# Altium PCB hv_controller.PcbDoc (part 2 of 3) (continued)
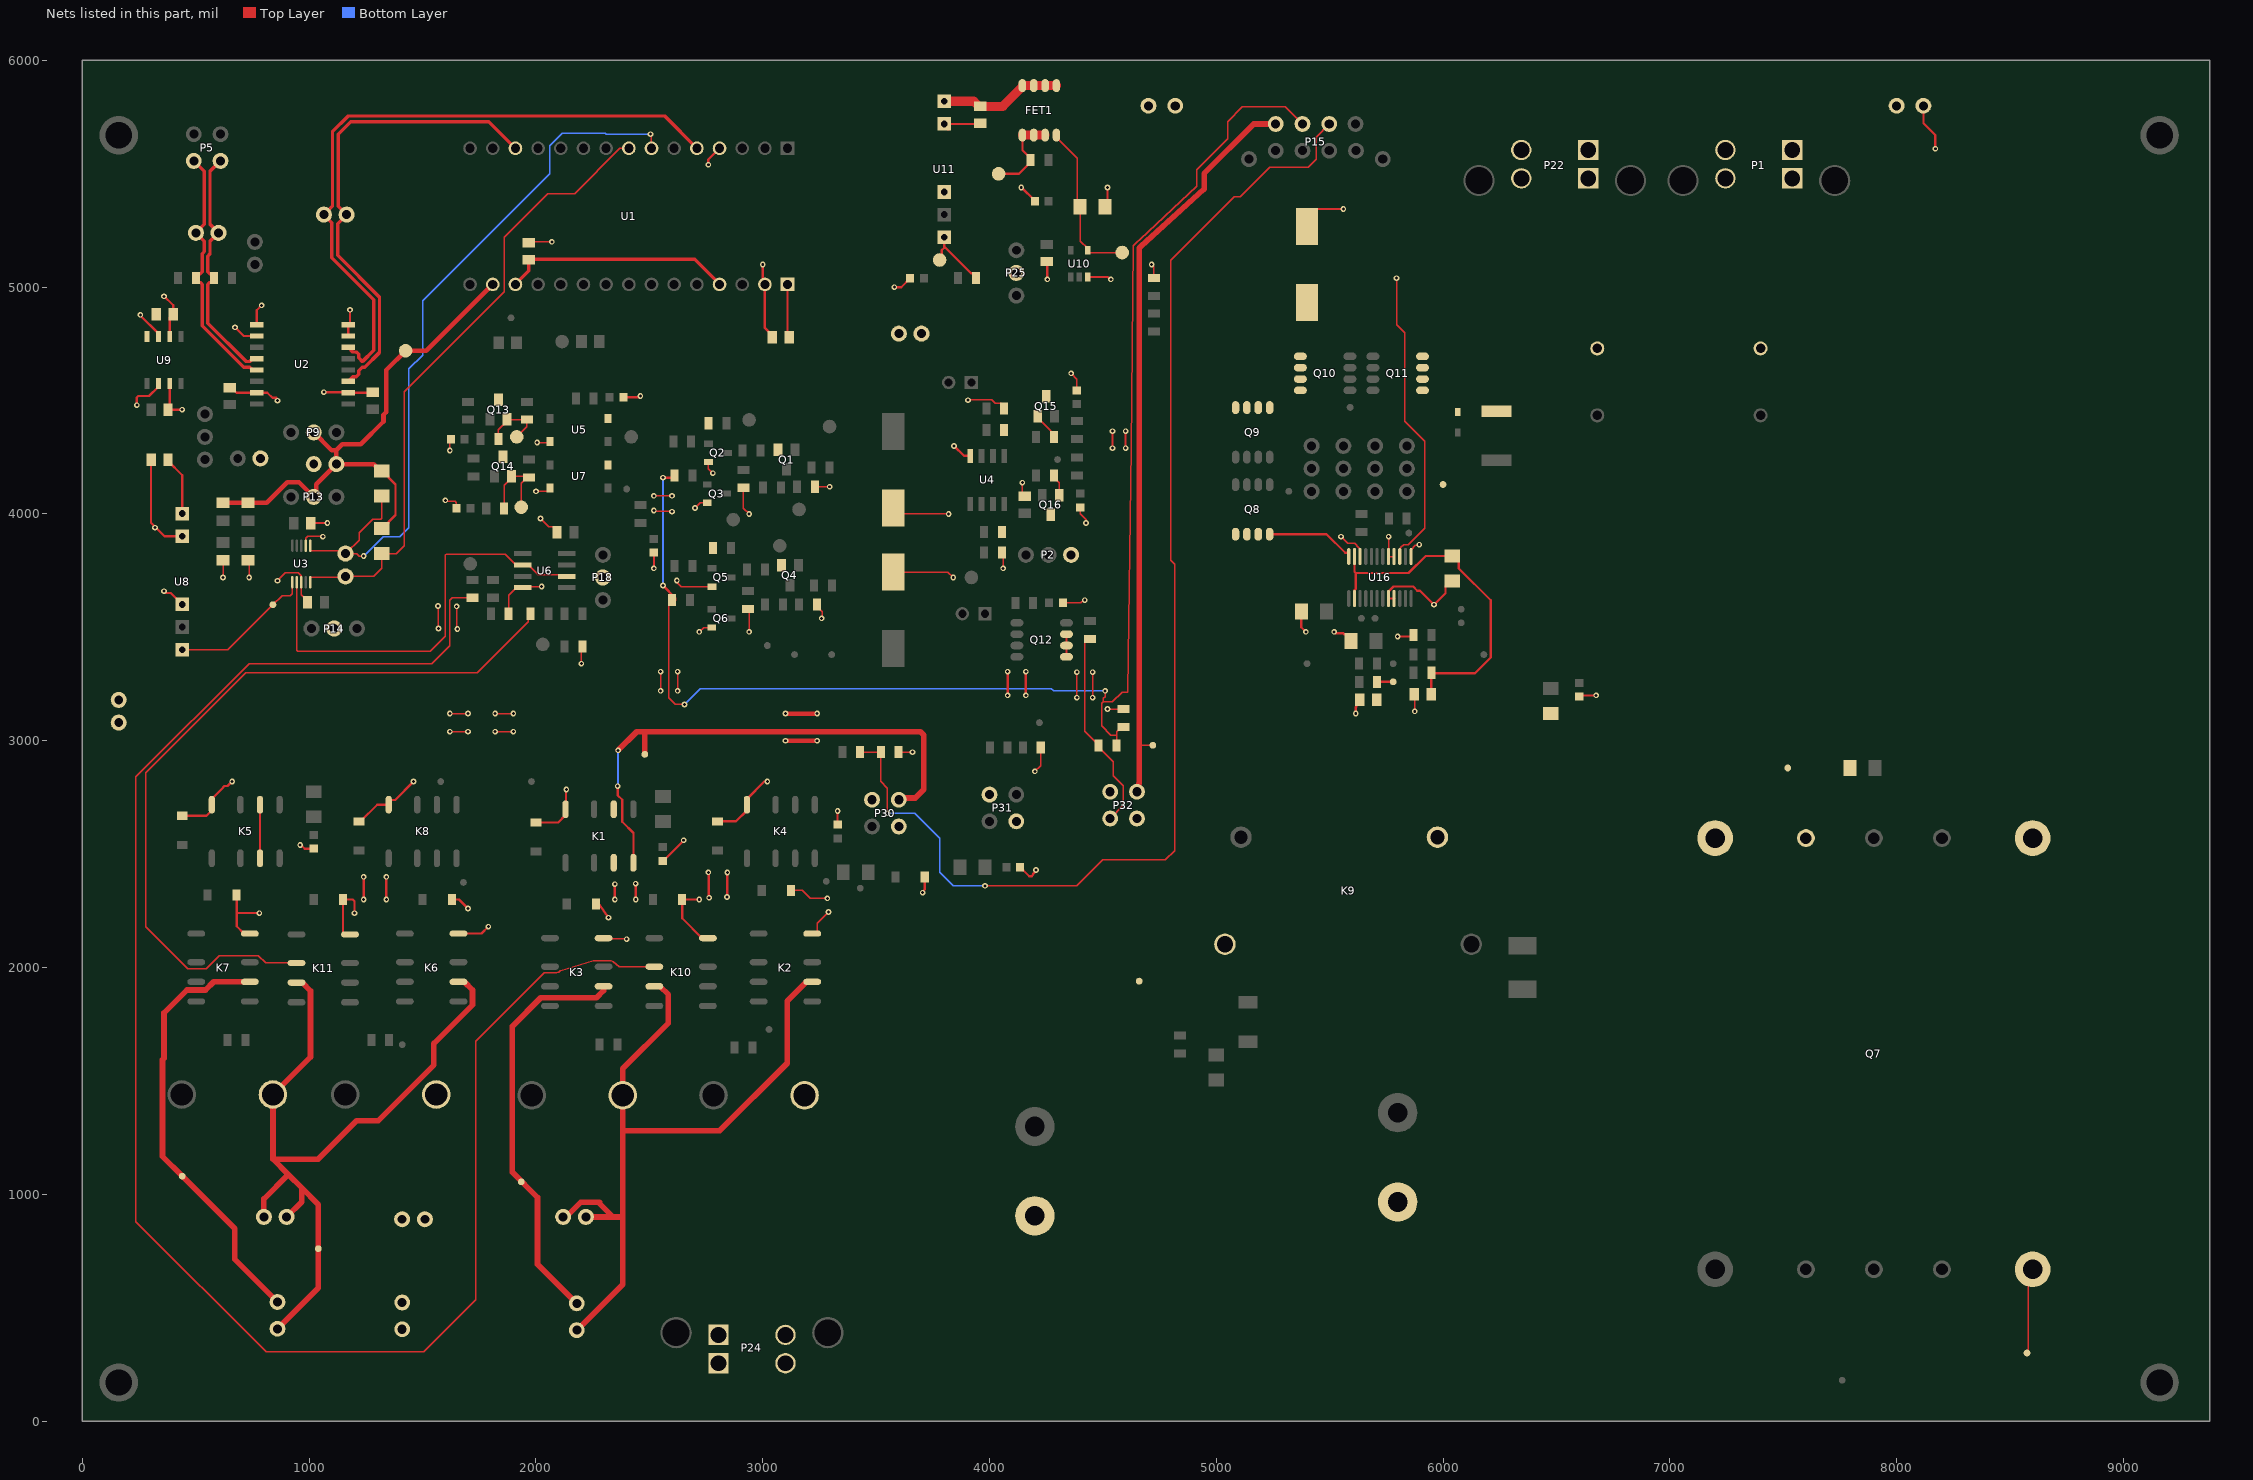
[diagram p2: the nets of this part, all layers, seen from the top]
## Part data (continued)
R93: library part PCAN0805K3R00FST5, "Fixed Resistor", Manufacturer="Vishay Dale Thin Film", Manufacturer Series=PCAN, Resistor Type="FIXED RESISTOR", Supplier Part Number 1=764-1232-2-ND, Category="Chip SMD Resistors", ComponentLink1Description=https://datasheet.ciiva.com:443/pdfs/VipMasterIC/IC/VISH/VISH-S-A0001545402/VISH-S-A0001545402-1.pdf?src-supplier=IHS+Markit, ComponentLink1URL=https://datasheet.ciiva.com:443/pdfs/VipMasterIC/IC/VISH/VISH-S-A0001545402/VISH-S-A0001545402-1.pdf?src-supplier=IHS+Markit, ComponentLink2Description=http://www.vishay.com/docs/60125/pcan.pdf?src-supplier=Digi-Key, ComponentLink2URL=http://www.vishay.com/docs/60125/pcan.pdf?src-supplier=Digi-Key, ComponentLink3Description=http://www.vishay.com/docs/49563/_pcan_vmn-pt0416.pdf?src-supplier=Digi-Key, ComponentLink3URL=http://www.vishay.com/docs/49563/_pcan_vmn-pt0416.pdf?src-supplier=Digi-Key, Manufacturer Part Number=PCAN0805K3R00FST5, Number of Pins=2, Pricing 1="500=1.51200, 1000=1.31040 (USD)", REACH SVHC="No SVHC", RoHS=Yes, RoHS Compliant=Yes, Stock 1=1500, Supplier 1=Digi-Key
R97 R100: library part CRCW08051M00FKEAC, "RES 1M OHM 1% 1/8W 0805", Manufacturer=Vishay, Max Operating Temperature=155°C, Min Operating Temperature=-55°C, Package Height=0.5mm, Package Length=2mm, Package Style=SMTMeter, Package Width=1.25mm, Rated Power Dissipation (P)=125mW, Resistor Type="FIXED RESISTOR", Supplier Part Number 1=541-4135-1-ND, Temperature Coefficient=-100100ppm/°C, Tolerance=1%, Working Voltage=150V, Category="Chip SMD Resistors", ComponentLink1Description=https://datasheet.ciiva.com:443/pdfs/VipMasterIC/IC/VISH/VISH-S-A0003599164/VISH-S-A0003599164-1.pdf?src-supplier=IHS+Markit, ComponentLink1URL=https://datasheet.ciiva.com:443/pdfs/VipMasterIC/IC/VISH/VISH-S-A0003599164/VISH-S-A0003599164-1.pdf?src-supplier=IHS+Markit, ComponentLink2Description=http://www.vishay.com/docs/28773/crcwce3.pdf?src-supplier=Digi-Key, ComponentLink2URL=http://www.vishay.com/docs/28773/crcwce3.pdf?src-supplier=Digi-Key, ComponentLink3Description=http://www.vishay.com/docs/20035/dcrcwe3.pdf?src-supplier=Avnet, ComponentLink3URL=http://www.vishay.com/docs/20035/dcrcwe3.pdf?src-supplier=Avnet, Construction=Chip, JESD-609 Code=e3, Manufacturer Part Number=CRCW08051M00FKEAC, Number of Pins=2, Packaging="Tape and Reel", Pricing 1="1=0.10000, 10=0.06300, 100=0.02540, 1000=0.01143, 2500=0.00992 (USD)", REACH SVHC=Yes, Resistance=1MR, RoHS=Yes, RoHS Compliant=Yes, Size Code=0805, Stock 1=15539, Supplier 1=Digi-Key, Technology="METAL GLAZE/THICK FILM", Terminal Finish=Nickel
R98: library part CRCW080537K4FKEA, "RES SMD 37.4K OHM 1% 1/8W 0805", Manufacturer=Vishay, Max Operating Temperature=155°C, Min Operating Temperature=-55°C, Package Height=0.45mm, Package Length=2mm, Package Shape=Rectangular, Package Style=SMTMeter, Package Width=1.25mm, Rated Power Dissipation (P)=125mW, Rated Temperature=70°C, Resistor Type="FIXED RESISTOR", Supplier Part Number 1=541-37.4KCCT-ND, Temperature Coefficient=100ppm/°C, Tolerance=1%, Working Voltage=150V, Category="Chip SMD Resistors", ComponentLink1Description=https://datasheet.ciiva.com:443/pdfs/VipMasterIC/IC/VISH/VISH-S-A0007266705/VISH-S-A0007266705-1.pdf?src-supplier=IHS+Markit, ComponentLink1URL=https://datasheet.ciiva.com:443/pdfs/VipMasterIC/IC/VISH/VISH-S-A0007266705/VISH-S-A0007266705-1.pdf?src-supplier=IHS+Markit, ComponentLink2Description=https://datasheet.ciiva.com/9012/dcrcwe3-9012831.pdf?src-supplier=Avnet, ComponentLink2URL=https://datasheet.ciiva.com/9012/dcrcwe3-9012831.pdf?src-supplier=Avnet, ComponentLink3Description=https://datasheet.ciiva.com/7725/66915-7725943.pdf?src-supplier=Element14, ComponentLink3URL=https://datasheet.ciiva.com/7725/66915-7725943.pdf?src-supplier=Element14, ComponentLink4Description=https://datasheet.ciiva.com/22705/1697337-22705877.pdf?src-supplier=Element14, ComponentLink4URL=https://datasheet.ciiva.com/22705/1697337-22705877.pdf?src-supplier=Element14, ComponentLink5Description=https://datasheet.ciiva.com/22674/1912744-22674621.pdf?src-supplier=Element14, ComponentLink5URL=https://datasheet.ciiva.com/22674/1912744-22674621.pdf?src-supplier=Element14, ComponentLink6Description=https://datasheet.ciiva.com/7671/1697337-7671694.pdf?src-supplier=Element14, ComponentLink6URL=https://datasheet.ciiva.com/7671/1697337-7671694.pdf?src-supplier=Element14, ComponentLink7Description=https://datasheet.ciiva.com/7671/1697337-7671695.pdf?src-supplier=Element14, ComponentLink7URL=https://datasheet.ciiva.com/7671/1697337-7671695.pdf?src-supplier=Element14, ComponentLink8Description=https://datasheet.ciiva.com/16395/dcrcwe3-16395353.pdf?src-supplier=Future+Electronics, ComponentLink8URL=https://datasheet.ciiva.com/16395/dcrcwe3-16395353.pdf?src-supplier=Future+Electronics, ComponentLink9Description=https://datasheet.ciiva.com/2525/dcrcwe3-2525821.pdf?src-supplier=Digi-Key, ComponentLink9URL=https://datasheet.ciiva.com/2525/dcrcwe3-2525821.pdf?src-supplier=Digi-Key, ComponentLink10Description=https://datasheet.ciiva.com/2525/dcrcwe3-2525822.pdf?src-supplier=Digi-Key, ComponentLink10URL=https://datasheet.ciiva.com/2525/dcrcwe3-2525822.pdf?src-supplier=Digi-Key, ComponentLink11Description=https://datasheet.ciiva.com/2525/dcrcwe3-2525823.pdf?src-supplier=Digi-Key, ComponentLink11URL=https://datasheet.ciiva.com/2525/dcrcwe3-2525823.pdf?src-supplier=Digi-Key, Construction=Chip, JESD-609 Code=e3, Manufacturer Part Number=CRCW080537K4FKEA, Mount="Surface Mount", Number of Pins=2, Packaging="Tape and Reel", Pricing 1="1=0.10000, 10=0.06700, 100=0.02710, 1000=0.01219, 2500=0.01058 (USD)", REACH SVHC=Yes, Reference Standard=AEC-Q200, Resistance=37.4kR, RoHS=Yes, RoHS Compliant=Yes, Size Code=0805, Stock 1=12211, Supplier 1=Digi-Key, Technology="METAL GLAZE/THICK FILM", Terminal Finish=Nickel, Termination=Wraparound
R99: library part ERJ-8ENF7322V, "RES SMD 73.2K OHM 1% 1/4W 1206", Digi-Key Part Number=P73.2KFCT-ND, Manufacturer="Panasonic Electronic Components", Operating Temperature="-55°C ~ 155°C", Package / Case="1206 (3216 Metric)", Power (Watts)="0.25W, 1/4W", Supplier Device Package=1206, Temperature Coefficient=±100ppm/°C, Tolerance=±1%, @ qty=1500, Composition="Thick Film", Datasheets=http://industrial.panasonic.com/www-cgi/jvcr13pz.cgi?E+PZ+3+AOA0002+ERJ8ENF7322V+7+WW, Factory Stock=0, Failure Rate=-, Features="Automotive AEC-Q200", Height - Seated (Max)="0.028\" (0.70mm)", Image=//media.digikey.com/Renders/Panasonic%20Renders/ERJ-1206%20Pkg.jpg, Minimum Quantity=1, Number of Terminations=2, Packaging="Cut Tape (CT)", Part Number=ERJ-8ENF7322V, Part Status=Active, Quantity Available=19226, Series=ERJ, Size / Dimension="0.126\" L x 0.063\" W (3.20mm x 1.60mm)", Unit Price (USD)=0.00933
R101: library part TNPW080514K2BEEA, "RES 14.2K OHM 0.1% 1/5W 0805", Manufacturer=Vishay, Max Operating Temperature=125°C, Min Operating Temperature=-55°C, Package Height=0.45mm, Package Length=2mm, Package Style=SMTMeter, Package Width=1.25mm, Rated Power Dissipation (P)=125mW, Rated Temperature=70°C, Resistor Type="FIXED RESISTOR", Supplier Part Number 1=71-TNPW080514K2BEEA, Temperature Coefficient=25ppm/°C, Tolerance=0.1%, Working Voltage=150V, Category="Chip SMD Resistors", ComponentLink1Description=https://datasheet.ciiva.com:443/pdfs/VipMasterIC/IC/VISH/VISH-S-A0002290253/VISH-S-A0002290253-1.pdf?src-supplier=IHS+Markit, ComponentLink1URL=https://datasheet.ciiva.com:443/pdfs/VipMasterIC/IC/VISH/VISH-S-A0002290253/VISH-S-A0002290253-1.pdf?src-supplier=IHS+Markit, ComponentLink2Description=http://www.mouser.com/ds/2/427/tnpw_e3-64594.pdf?src-supplier=Mouser, ComponentLink2URL=http://www.mouser.com/ds/2/427/tnpw_e3-64594.pdf?src-supplier=Mouser, ComponentLink3Description=http://www.vishay.com/docs/28758/tnpw_e3.pdf?src-supplier=Avnet, ComponentLink3URL=http://www.vishay.com/docs/28758/tnpw_e3.pdf?src-supplier=Avnet, ComponentLink4Description=http://www.vishay.com/docs/28758/tnpw_e3.pdf?src-supplier=Digi-Key, ComponentLink4URL=http://www.vishay.com/docs/28758/tnpw_e3.pdf?src-supplier=Digi-Key, ComponentLink5Description=http://www.vishay.com/docs/28758/tnpw_e3.pdf?src-supplier=Future+Electronics, ComponentLink5URL=http://www.vishay.com/docs/28758/tnpw_e3.pdf?src-supplier=Future+Electronics, Construction=Chip, Manufacturer Part Number=TNPW080514K2BEEA, Mount="Surface Mount", Number of Pins=2, Packaging="Tape and Reel", Pricing 1="1=0.75000, 10=0.54900, 50=0.54900, 100=0.35000, 1000=0.22100, 10000=0.21500 (USD)", REACH SVHC=Yes, Reference Standard=AEC-Q200, Resistance=14.2kR, RoHS=Yes, RoHS Compliant=Yes, Size Code=0805, Stock 1=1469, Supplier 1=Mouser, Technology="THIN FILM", Terminal Finish=Nickel, Termination=Wraparound
R102: library part ERJ-8ENF3301V, "RES SMD 3.3K OHM 1% 1/4W 1206", Digi-Key Part Number=P3.30KFCT-ND, Manufacturer="Panasonic Electronic Components", Operating Temperature="-55°C ~ 155°C", Package / Case="1206 (3216 Metric)", Power (Watts)="0.25W, 1/4W", Supplier Device Package=1206, Temperature Coefficient=±100ppm/°C, Tolerance=±1%, @ qty=1500, Composition="Thick Film", Datasheets=http://industrial.panasonic.com/www-cgi/jvcr13pz.cgi?E+PZ+3+AOA0002+ERJ8ENF3301V+7+WW, Factory Stock=0, Failure Rate=-, Features="Automotive AEC-Q200", Height - Seated (Max)="0.028\" (0.70mm)", Image=//media.digikey.com/Renders/Panasonic%20Renders/ERJ-1206%20Pkg.jpg, Minimum Quantity=1, Number of Terminations=2, Packaging="Cut Tape (CT)", Part Number=ERJ-8ENF3301V, Part Status=Active, Quantity Available=48879, Series=ERJ, Size / Dimension="0.126\" L x 0.063\" W (3.20mm x 1.60mm)", Unit Price (USD)=0.00933
R103: library part ERJ-8ENF2553V, "RES SMD 255K OHM 1% 1/4W 1206", Digi-Key Part Number=P255KFCT-ND, Manufacturer="Panasonic Electronic Components", Operating Temperature="-55°C ~ 155°C", Package / Case="1206 (3216 Metric)", Power (Watts)="0.25W, 1/4W", Supplier Device Package=1206, Temperature Coefficient=±100ppm/°C, Tolerance=±1%, @ qty=1500, Composition="Thick Film", Datasheets=http://industrial.panasonic.com/www-cgi/jvcr13pz.cgi?E+PZ+3+AOA0002+ERJ8ENF2553V+7+WW, Factory Stock=0, Failure Rate=-, Features="Automotive AEC-Q200", Height - Seated (Max)="0.028\" (0.70mm)", Image=//media.digikey.com/Renders/Panasonic%20Renders/ERJ-1206%20Pkg.jpg, Minimum Quantity=1, Number of Terminations=2, Packaging="Cut Tape (CT)", Part Number=ERJ-8ENF2553V, Part Status=Active, Quantity Available=49543, Series=ERJ, Size / Dimension="0.126\" L x 0.063\" W (3.20mm x 1.60mm)", Unit Price (USD)=0.00933
R104: library part ERJ-6ENF8062V, "RES SMD 80.6K OHM 1% 1/8W 0805", Digi-Key Part Number=P80.6KCCT-ND, Manufacturer="Panasonic Electronic Components", Operating Temperature="-55°C ~ 155°C", Package / Case="0805 (2012 Metric)", Power (Watts)="0.125W, 1/8W", Supplier Device Package=0805, Temperature Coefficient=±100ppm/°C, Tolerance=±1%, @ qty=1500, Composition="Thick Film", Datasheets=http://industrial.panasonic.com/www-cgi/jvcr13pz.cgi?E+PZ+3+AOA0002+ERJ6ENF8062V+7+WW, Factory Stock=0, Failure Rate=-, Features="Automotive AEC-Q200", Height - Seated (Max)="0.028\" (0.70mm)", Image=//media.digikey.com/Renders/Panasonic%20Renders/ERJ-0805%20Pkg.jpg, Minimum Quantity=1, Number of Terminations=2, Packaging="Cut Tape (CT)", Part Number=ERJ-6ENF8062V, Part Status=Active, Quantity Available=48051, Series=ERJ, Size / Dimension="0.079\" L x 0.049\" W (2.00mm x 1.25mm)", Unit Price (USD)=0.00729
TP1 TP2 TP3 TP4 TP5 TP6 TP7 TP8 TP9 TP10 TP11 TP12 TP13 TP14 TP15 TP18 TP19 TP20 TP21 TP22 TP23 TP24 TP25 TP26: library part CMP-039-000000-1, "SMD TEST POINT", Design Item ID=TP, Source=misc.SchLib
TP27 TP28 TP30 TP31 TP32 TP34 TP35 TP36 TP37 TP40 TP42 TP45 TP47 TP48 TP49 TP50 TP51 TP53 TP55 TP56 TP57 TP58 TP59 TP60 TP61 TP62 TP63 TP64: "SMD TEST POINT"
U1: library part CMP-020-000017-1, "BOARD NUCLEO STM32F303K8T6", Manufacturer=STMicroelectronics, ComponentLink1Description=http://www.farnell.com/datasheets/2064195.pdf?src-supplier=Farnell, ComponentLink1URL=http://www.farnell.com/datasheets/2064195.pdf?src-supplier=Farnell, ComponentLink2Description=http://www.st.com/content/ccc/resource/technical/document/data_brief/b1/d8/13/d4/b0/b7/4b/6e/DM00214578.pdf/files/DM00214578.pdf/jcr:content/translations/en.DM00214578.pdf?src-supplier=Digi-Key, ComponentLink2URL=http://www.st.com/content/ccc/resource/technical/document/data_brief/b1/d8/13/d4/b0/b7/4b/6e/DM00214578.pdf/files/DM00214578.pdf/jcr:content/translations/en.DM00214578.pdf?src-supplier=Digi-Key, ComponentLink3Description=http://www.farnell.com/datasheets/1966773.pdf?src-supplier=Element14, ComponentLink3URL=http://www.farnell.com/datasheets/1966773.pdf?src-supplier=Element14, ComponentLink4Description=http://www.farnell.com/datasheets/2064195.pdf?src-supplier=Newark, ComponentLink4URL=http://www.farnell.com/datasheets/2064195.pdf?src-supplier=Newark, ComponentLink5Description=http://www.st.com/st-web-ui/static/active/en/resource/technical/document/user_manual/DM00116575.pdf?s_searchtype=keyword&src-supplier=Avnet+Asia, ComponentLink5URL=http://www.st.com/st-web-ui/static/active/en/resource/technical/document/user_manual/DM00116575.pdf?s_searchtype=keyword&src-supplier=Avnet+Asia, ComponentLink6Description=http://www.st.com/st-web-ui/static/active/en/resource/technical/document/user_manual/DM00116575.pdf?s_searchtype=keyword&src-supplier=Avnet, ComponentLink6URL=http://www.st.com/st-web-ui/static/active/en/resource/technical/document/user_manual/DM00116575.pdf?s_searchtype=keyword&src-supplier=Avnet, ComponentLink7Description=http://www.farnell.com/datasheets/2064195.pdf?src-supplier=Element14, ComponentLink7URL=http://www.farnell.com/datasheets/2064195.pdf?src-supplier=Element14, Core Architecture=ARM, Design Item ID=NUCLEO-L432KC, Evaluation Kit=Yes, Lead Free="Lead Free", Manufacturer Part Number=NUCLEO-L432KC, Number of Bits=32, PartId=1, Pricing 1="1=10.99000 (USD)", Pricing 2="1=12.40000 (USD)", REACH SVHC="No SVHC", RoHS=Yes, Source=ic.SchLib, Stock 1=171, Stock 2=56
U2: library part CMP-031-00010-1, "IC TXRX/ISO HALF 1/1 16SOIC", Manufacturer="Texas Instruments", Max Operating Temperature=105°C, Min Operating Temperature=-55°C, Package Body Material=Plastic, Package Code=SOP, Package Shape=Rectangular, Package Style="SMALL OUTLINEMeter", Peak Reflow Temperature (Cel)=260°C, Supply Voltage-Nom=5V, Temperature Grade=OTHER, Category="Interface ICs", ComponentLink1Description=https://www.ti.com:443/lit/ds/symlink/iso1050.pdf?src-supplier=IHS+Markit, ComponentLink1URL=https://www.ti.com:443/lit/ds/symlink/iso1050.pdf?src-supplier=IHS+Markit, ComponentLink2Description=https://datasheet.ciiva.com/4782/slls983e-121851-4782209.pdf?src-supplier=Mouser, ComponentLink2URL=https://datasheet.ciiva.com/4782/slls983e-121851-4782209.pdf?src-supplier=Mouser, ComponentLink3Description=https://datasheet.ciiva.com/26913/getdatasheetpartid-573378-26913111.pdf?src-supplier=Verical, ComponentLink3URL=https://datasheet.ciiva.com/26913/getdatasheetpartid-573378-26913111.pdf?src-supplier=Verical, Design Item ID=ISO1050DWR, Height - Seated (Max)=2.65mm, JESD-30 Code=R-PDSO-G16, JESD-609 Code=e4, Length=10.3mm, Manufacturer Part Number=ISO1050DWR, Moisture Sensitivity Level=2, Number of Functions=1, Pins=16, Pricing 1="1=6.50000, 10=5.84000, 25=5.52000, 50=5.52000, 100=4.79000, 1000=3.56000, 10000=3.56000 (USD)", Qualification Status="Not Qualified", REACH SVHC=Yes, RoHS=Yes, RoHS Compliant=Yes, Source=ic.SchLib, Surface Mount=Yes, Telecom IC Type="INTERFACE CIRCUIT", Terminal Finish=Nickel, Terminal Form="Gull Wing", Terminal Pitch=1.27mm, Terminal Position=DUAL, Width=7.5mm
U3: library part CMP-008-000013-1, "Digital Potentiometer, 1 Func, 10000ohm, 2-wire Serial Control Interface, 128 Positions, PDSO10"
U4: library part CMP-014-00006-1, "IC OPAMP JFET 3MHZ 8SOIC", Case/Package=D, Dual Supply Voltage=9V, Input Bias Current=200pA, Input Offset Voltage (Vos)=10mV, Manufacturer="Texas Instruments", Max Operating Temperature=85°C, Max Supply Voltage=18V, Min Operating Temperature=-40°C, Min Supply Voltage=3.5V, Nominal Supply Current=5mA, Operating Supply Current=1.4mA, Package Quantity=1, Voltage Gain=106.02dB, Bandwidth=3MHz, Common Mode Rejection Ratio=70dB, ComponentLink1Description=http://www.ti.com/lit/ds/symlink/tl071a.pdf?src-supplier=Digi-Key, ComponentLink1URL=http://www.ti.com/lit/ds/symlink/tl071a.pdf?src-supplier=Digi-Key, ComponentLink2Description=http://www.ti.com/general/docs/lit/getliterature.tsp?genericPartNumber=TL072&&fileType=pdf&src-supplier=Avnet, ComponentLink2URL=http://www.ti.com/general/docs/lit/getliterature.tsp?genericPartNumber=TL072&&fileType=pdf&src-supplier=Avnet, ComponentLink3Description=http://www.farnell.com/datasheets/1882732.pdf?src-supplier=Element14, ComponentLink3URL=http://www.farnell.com/datasheets/1882732.pdf?src-supplier=Element14, Contact Plating=Gold, Design Item ID=TL072CDR, Gain Bandwidth Product=3MHz, Height=1.58mm, Lead Free="Lead Free", Length=4.9mm, Manufacturer Part Number=TL072CDR, Max I/O Voltage=10mV, Nominal Gain Bandwidth Product=3MHz, Number of Amplifiers=2, Number of Channels=2, Number of Circuits=2, Number of Elements=2, Packaging="Tape and Reel", Pins=8, Pricing 1="1=0.41, 10=0.334, 100=0.2059, 500=0.1562, 1000=0.11715 (USD)", Radiation Hardening=No, REACH SVHC="No SVHC", Slew Rate=13V/µs, Source=ic.SchLib, Stock 1=21821, Unity Gain Bandwidth Product=3MHz, Width=3.91mm
U5 U7: library part CMP-020-000001-1, "Transistor Output Optocoupler", Manufacturer=Isocom, Category=Optocouplers, ComponentLink1Description=https://datasheet.ciiva.com:443/pdfs/VipMasterIC/IC/ISCL/ISCL-S-A0004892693/ISCL-S-A0004892693-1.pdf?src-supplier=IHS+Markit, ComponentLink1URL=https://datasheet.ciiva.com:443/pdfs/VipMasterIC/IC/ISCL/ISCL-S-A0004892693/ISCL-S-A0004892693-1.pdf?src-supplier=IHS+Markit, ComponentLink2Description=https://datasheet.ciiva.com/7996/90946-7996982.pdf?src-supplier=Element14, ComponentLink2URL=https://datasheet.ciiva.com/7996/90946-7996982.pdf?src-supplier=Element14, Design Item ID=IS181D, Manufacturer Part Number=IS181D, Pricing 1="1=0.59000, 10=0.36000, 100=0.20720, 1000=0.16218 (USD)", RoHS=Yes, RoHS Compliant=Yes, Source=ic.SchLib, Stock 1=15104
U6: library part CMP-014-00010-1, "Comparator, 2 Func, 7000uV Offset-Max, 240000ns Response Time, CMOS, PDSO8", Max Operating Temperature=70°C, Min Operating Temperature=0°C, Output Type=PUSH-PULL, RoHS Compliant=Yes
U8 U11: library part CMP-008-000009-3, "DC-DC Regulated Power Supply Module, 1 Output, 1W, Hybrid"
U9: library part CMP-031-00025-1, "Fixed Positive Standard Regulator, 5VBIPolar, PDSO8", RoHS Compliant=Yes
U10: library part CMP-017-000001-1, "AND Gate, 4000/14000/40000 Series, 1-Func, 2-Input, CMOS, PDSO5", Load Capacitance (CL)=50pF, Manufacturer=Rohm, Max Operating Temperature=85°C, Min Operating Temperature=-40°C, Package Body Material=Plastic, Package Code=LSSOP, Package Equivalence Code=TSOP5/6,.11,37, Package Shape=Rectangular, Package Style="SMALL OUTLINE, LOW PROFILE, SHRINK PITCHMeter", Power Supplies=3/16V, Supply Voltage-Max (Vsup)=16V, Supply Voltage-Min (Vsup)=3V, Supply Voltage-Nom (Vsup)=5V, Temperature Grade=INDUSTRIAL, Category="Logic Gates", ComponentLink1Description=https://datasheet.ciiva.com:443/pdfs/VipMasterIC/IC/ROHM/ROHM-S-A0001749750/ROHM-S-A0001749750-1.pdf?src-supplier=IHS+Markit, ComponentLink1URL=https://datasheet.ciiva.com:443/pdfs/VipMasterIC/IC/ROHM/ROHM-S-A0001749750/ROHM-S-A0001749750-1.pdf?src-supplier=IHS+Markit, ComponentLink2Description=https://datasheet.ciiva.com/12254/bu4s81g2-e-209681-12254411.pdf?src-supplier=Mouser, ComponentLink2URL=https://datasheet.ciiva.com/12254/bu4s81g2-e-209681-12254411.pdf?src-supplier=Mouser, ComponentLink3Description=https://datasheet.ciiva.com/1508/bu4s81g2-e-1508101.pdf?src-supplier=Element14, ComponentLink3URL=https://datasheet.ciiva.com/1508/bu4s81g2-e-1508101.pdf?src-supplier=Element14, ComponentLink4Description=https://datasheet.ciiva.com/1508/bu4s81g2-e-1508102.pdf?src-supplier=Element14, ComponentLink4URL=https://datasheet.ciiva.com/1508/bu4s81g2-e-1508102.pdf?src-supplier=Element14, ComponentLink5Description=https://datasheet.ciiva.com/8274/bu4s01g2-e-8274597.pdf?src-supplier=Avnet, ComponentLink5URL=https://datasheet.ciiva.com/8274/bu4s01g2-e-8274597.pdf?src-supplier=Avnet, ComponentLink6Description=https://datasheet.ciiva.com/6619/bu4s01g2-e-6619800.pdf?src-supplier=Digi-Key, ComponentLink6URL=https://datasheet.ciiva.com/6619/bu4s01g2-e-6619800.pdf?src-supplier=Digi-Key, ComponentLink7Description=https://datasheet.ciiva.com/6619/bu4s01g2-e-6619813.pdf?src-supplier=Digi-Key, ComponentLink7URL=https://datasheet.ciiva.com/6619/bu4s01g2-e-6619813.pdf?src-supplier=Digi-Key, ComponentLink8Description=https://datasheet.ciiva.com/6619/bu4s01g2-e-6619814.pdf?src-supplier=Digi-Key, ComponentLink8URL=https://datasheet.ciiva.com/6619/bu4s01g2-e-6619814.pdf?src-supplier=Digi-Key, ComponentLink9Description=https://datasheet.ciiva.com/16678/bu4s01g2-e-16678569.pdf?src-supplier=Avnet+Europe, ComponentLink9URL=https://datasheet.ciiva.com/16678/bu4s01g2-e-16678569.pdf?src-supplier=Avnet+Europe, Design Item ID=BU4S81G2-TR, Height - Seated (Max)=1.25mm, JESD-30 Code=R-PDSO-G5, Length=2.9mm, Logic IC Type="AND GATE", Manufacturer Part Number=BU4S81G2-TR, Moisture Sensitivity Level=1, Number of Functions=1, Number of Inputs=2, Number of Pins=5, Packaging="Tape and Reel", Pricing 1="1=0.90000, 10=0.79200, 25=0.74400, 100=0.60720, 250=0.56396, 500=0.47996, 1000=0.38397 (USD)", Qualification Status="Not Qualified", REACH SVHC=Yes, RoHS=Yes, RoHS Compliant=Yes, Schmitt Trigger=No, Source=ic.SchLib, Stock 1=2698, Surface Mount=Yes, Technology=CMOS, Terminal Form="Gull Wing", Terminal Pitch=0.95mm, Terminal Position=DUAL, Width=1.6mm